# KiCad board DCTransistor.kicad_pcb
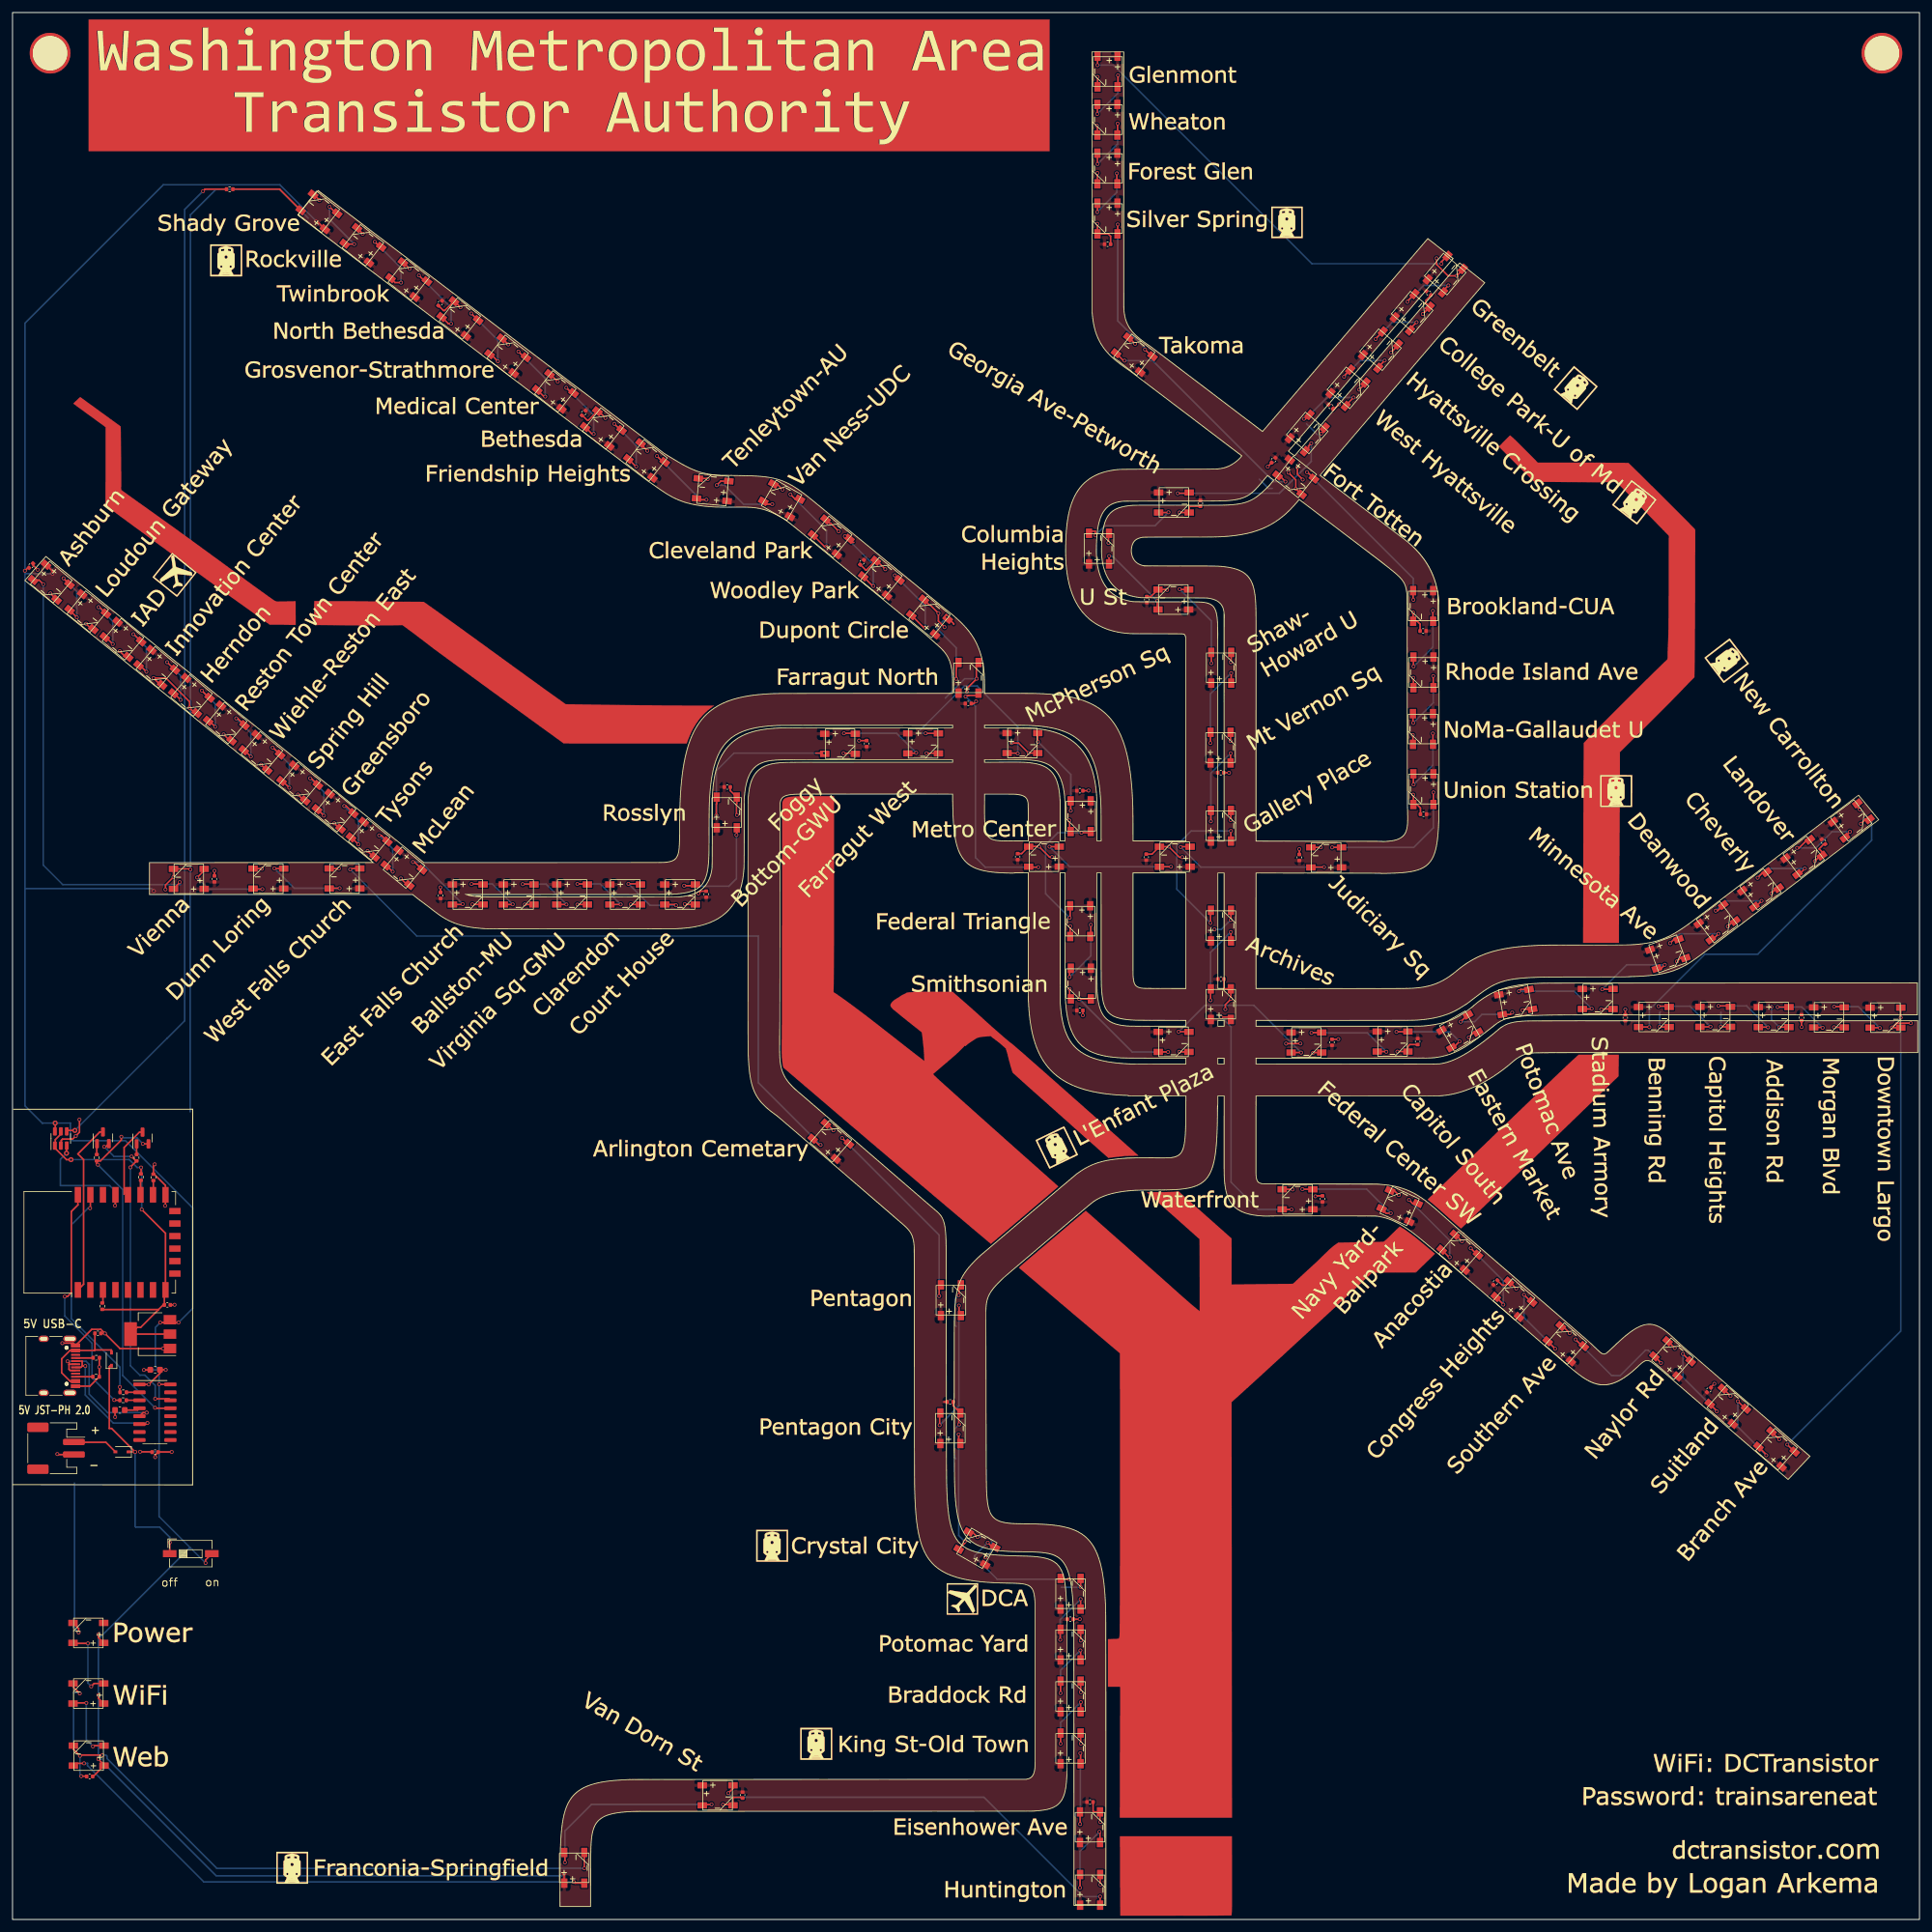
[diagram p0: board, top side]
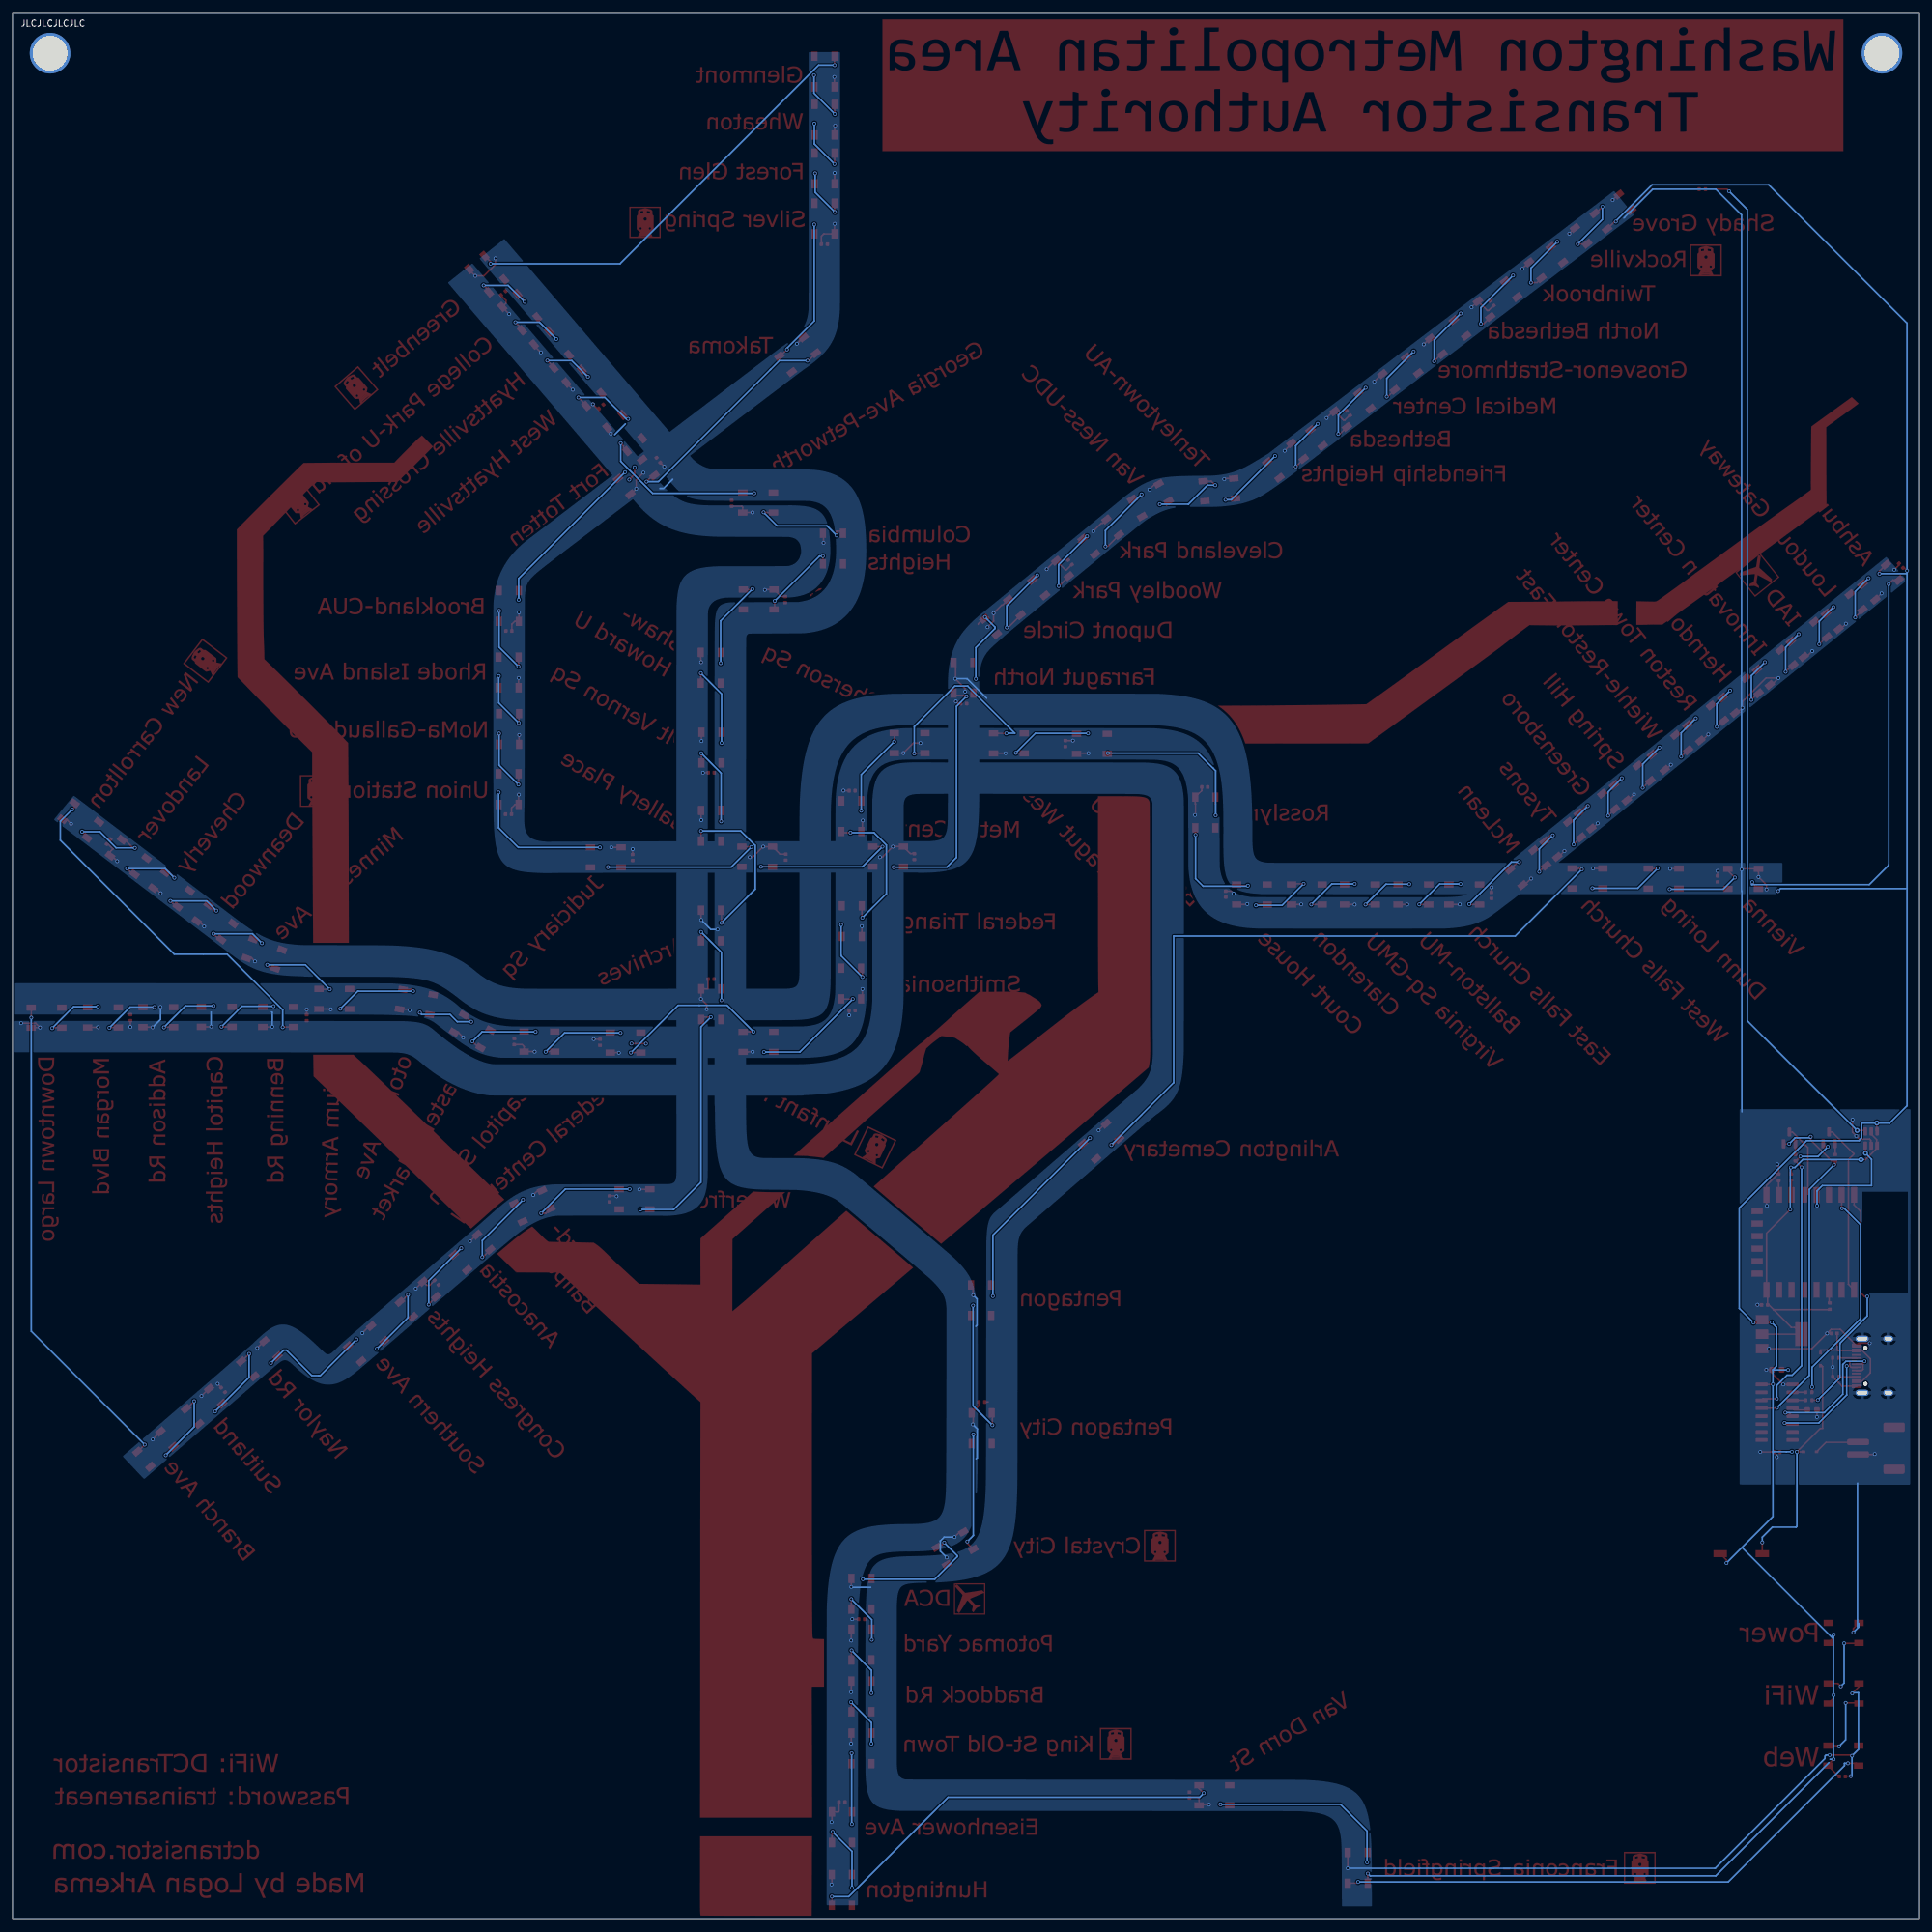
[diagram p1: board, bottom side, seen from below]

Outline 304.8 x 304.8 mm; copper layers: Top, Bottom. Coordinates in mm from the lower left corner of the outline.
Outline path: rectangle 0,304.8 304.8,0
Stack: Top 0.035mm / dielectric 1.51mm FR4 er 4.5 / Bottom 0.035mm

## Placement (name value [footprint] x y rotation side)
C0  100nf  [C_0603_1608Metric]  22.8 87.86 0 top
C1  10uF  [C_0402_1005Metric]  13.65 93.69 0 top
C2  100nf  [C_0603_1608Metric]  17.16 81.43 180 top
C3  10uF  [C_0402_1005Metric]  24.75 98.23 0 top
C4  10uF  [C_0402_1005Metric]  22.79 74.7 180 top
C5  10uF  [C_0402_1005Metric]  68.42 163.68 90 top
C6  10uF  [C_0402_1005Metric]  189.86 226.36 270 top
C7  10uF  [C_0402_1005Metric]  91.3 240.78 232 top
C8  10uF  [C_0402_1005Metric]  224.59 140.32 270 top
C9  10uF  [C_0402_1005Metric]  181.3 210.97 90 top
C10  10uF  [C_0402_1005Metric]  225.46 205.95 180 top
C11  10uF  [C_0402_1005Metric]  271.14 84.64 49 top
C12  10uF  [C_0402_1005Metric]  114.24 181.01 0 top
C13  10uF  [C_0402_1005Metric]  201.56 233.25 232 top
C14  10uF  [C_0402_1005Metric]  68.36 258.34 232 top
C15  10uF  [C_0402_1005Metric]  136.52 187.95 90 top
C16  10uF  [C_0402_1005Metric]  170.6 180.42 0 top
C17  10uF  [C_0402_1005Metric]  135.78 216.93 231 top
C18  10uF  [C_0402_1005Metric]  181.21 169.8 90 top
C19  10uF  [C_0402_1005Metric]  205.68 169.75 90 top
C20  10uF  [C_0402_1005Metric]  170.6 145.3 0 top
C21  10uF  [C_0402_1005Metric]  149.87 82.72 0 top
C22  10uF  [C_0402_1005Metric]  210.9 140.21 90 top
C23  10uF  [C_0402_1005Metric]  210.72 241.82 319.8 top
C24  10uF  [C_0402_1005Metric]  289.45 172.27 307 top
C25  10uF  [C_0402_1005Metric]  110.88 163.88 90 top
C26  10uF  [C_0402_1005Metric]  226.35 259.95 319.8 top
C27  10uF  [C_0402_1005Metric]  152.77 194.35 0 top
C28  10uF  [C_0402_1005Metric]  2.96 216.39 47 top
C29  10uF  [C_0402_1005Metric]  193.12 183.3 0 top
C30  10uF  [C_0402_1005Metric]  225.52 176.66 180 top
C31  10uF  [C_0402_1005Metric]  160.66 169.88 90 top
C32  10uF  [C_0402_1005Metric]  32.27 166.32 90 top
C33  10uF  [C_0402_1005Metric]  175.03 267.77 0 top
C34  10uF  [C_0402_1005Metric]  172.23 18.77 0 top
C35  10uF  [C_0402_1005Metric]  116.69 19.88 270 top
C36  10uF  [C_0402_1005Metric]  237.02 101.81 49 top
C37  10uF  [C_0402_1005Metric]  12.33 22.86 180 top
C38  10uF  [C_0402_1005Metric]  209.38 115.18 90 top
C39  10uF  [C_0402_1005Metric]  169.08 47.99 0 top
C40  10uF  [C_0402_1005Metric]  257.78 144.14 90 top
C41  10uF  [C_0402_1005Metric]  193.14 150.31 0 top
C42  10uF  [C_0402_1005Metric]  285.95 144.15 270 top
D0  SOD-323  [D_SOD-323]  15.82 89.56 90 top
D1  SOD-323  [D_SOD-323]  17.5 74.74 180 top
D2  WS2812B  [LED_WS2812B_PLCC4_5.0x5.0mm_P3.2mm-nosilk]  48.99 272.94 142 top
D3  WS2812B  [LED_WS2812B_PLCC4_5.0x5.0mm_P3.2mm-nosilk]  56.02 267.6 142 top
D4  WS2812B  [LED_WS2812B_PLCC4_5.0x5.0mm_P3.2mm-nosilk]  63.34 262.1 142 top
D5  WS2812B  [LED_WS2812B_PLCC4_5.0x5.0mm_P3.2mm-nosilk]  71.51 255.89 142 top
D6  WS2812B  [LED_WS2812B_PLCC4_5.0x5.0mm_P3.2mm-nosilk]  79.16 249.94 142 top
D7  WS2812B  [LED_WS2812B_PLCC4_5.0x5.0mm_P3.2mm-nosilk]  86.78 244.24 142 top
D8  WS2812B  [LED_WS2812B_PLCC4_5.0x5.0mm_P3.2mm-nosilk]  94.44 238.3 142 top
D9  WS2812B  [LED_WS2812B_PLCC4_5.0x5.0mm_P3.2mm-nosilk]  101.34 233.2 142 top
D10  WS2812B  [LED_WS2812B_PLCC4_5.0x5.0mm_P3.2mm-nosilk]  111.91 228.52 175 top
D11  WS2812B  [LED_WS2812B_PLCC4_5.0x5.0mm_P3.2mm-nosilk]  122.93 226.84 150 top
D12  WS2812B  [LED_WS2812B_PLCC4_5.0x5.0mm_P3.2mm-nosilk]  130.85 220.99 141 top
D13  WS2812B  [LED_WS2812B_PLCC4_5.0x5.0mm_P3.2mm-nosilk]  138.87 214.4 141 top
D14  WS2812B  [LED_WS2812B_PLCC4_5.0x5.0mm_P3.2mm-nosilk]  146.56 208.19 141 top
D15  WS2812B  [LED_WS2812B_PLCC4_5.0x5.0mm_P3.2mm-nosilk]  152.8 198.46 90 top
D16  WS2812B  [LED_WS2812B_PLCC4_5.0x5.0mm_P3.2mm-nosilk]  164.86 169.88 180 top
D17  WS2812B  [LED_WS2812B_PLCC4_5.0x5.0mm_P3.2mm-nosilk]  185.77 169.87 180 top
D18  WS2812B  [LED_WS2812B_PLCC4_5.0x5.0mm_P3.2mm-nosilk]  209.97 169.76 180 top
D19  WS2812B  [LED_WS2812B_PLCC4_5.0x5.0mm_P3.2mm-nosilk]  225.5 180.67 270 top
D20  WS2812B  [LED_WS2812B_PLCC4_5.0x5.0mm_P3.2mm-nosilk]  225.44 190.28 270 top
D21  WS2812B  [LED_WS2812B_PLCC4_5.0x5.0mm_P3.2mm-nosilk]  225.51 199.33 270 top
D22  WS2812B  [LED_WS2812B_PLCC4_5.0x5.0mm_P3.2mm-nosilk]  225.46 209.95 270 top
D23  WS2812B  [LED_WS2812B_PLCC4_5.0x5.0mm_P3.2mm-nosilk]  205.1 230.56 322 top
D24  WS2812B  [LED_WS2812B_PLCC4_5.0x5.0mm_P3.2mm-nosilk]  179.3 250.1 142 top
D25  WS2812B  [LED_WS2812B_PLCC4_5.0x5.0mm_P3.2mm-nosilk]  175.01 271.87 270 top
D26  WS2812B  [LED_WS2812B_PLCC4_5.0x5.0mm_P3.2mm-nosilk]  175 279.87 270 top
D27  WS2812B  [LED_WS2812B_PLCC4_5.0x5.0mm_P3.2mm-nosilk]  175 287.67 270 top
D28  WS2812B  [LED_WS2812B_PLCC4_5.0x5.0mm_P3.2mm-nosilk]  175.02 295.37 270 top
D29  WS2812B  [LED_WS2812B_PLCC4_5.0x5.0mm_P3.2mm-nosilk]  229 262.98 49.8 top
D30  WS2812B  [LED_WS2812B_PLCC4_5.0x5.0mm_P3.2mm-nosilk]  223.72 256.91 49.8 top
D31  WS2812B  [LED_WS2812B_PLCC4_5.0x5.0mm_P3.2mm-nosilk]  218.65 250.9 49.8 top
D32  WS2812B  [LED_WS2812B_PLCC4_5.0x5.0mm_P3.2mm-nosilk]  213.46 244.81 49.8 top
D33  WS2812B  [LED_WS2812B_PLCC4_5.0x5.0mm_P3.2mm-nosilk]  206.94 237.6 49.8 top
D34  WS2812B  [LED_WS2812B_PLCC4_5.0x5.0mm_P3.2mm-nosilk]  185.63 226.48 0 top
D35  WS2812B  [LED_WS2812B_PLCC4_5.0x5.0mm_P3.2mm-nosilk]  173.66 219.12 90 top
D36  WS2812B  [LED_WS2812B_PLCC4_5.0x5.0mm_P3.2mm-nosilk]  185.53 210.98 180 top
D37  WS2812B  [LED_WS2812B_PLCC4_5.0x5.0mm_P3.2mm-nosilk]  193.19 200.07 90 top
D38  WS2812B  [LED_WS2812B_PLCC4_5.0x5.0mm_P3.2mm-nosilk]  193.09 187.31 90 top
D39  WS2812B  [LED_WS2812B_PLCC4_5.0x5.0mm_P3.2mm-nosilk]  193.14 174.82 90 top
D40  WS2812B  [LED_WS2812B_PLCC4_5.0x5.0mm_P3.2mm-nosilk]  193.15 158.86 90 top
D41  WS2812B  [LED_WS2812B_PLCC4_5.0x5.0mm_P3.2mm-nosilk]  193.13 146.3 90 top
D42  WS2812B  [LED_WS2812B_PLCC4_5.0x5.0mm_P3.2mm-nosilk]  205.39 115.11 180 top
D43  WS2812B  [LED_WS2812B_PLCC4_5.0x5.0mm_P3.2mm-nosilk]  221.71 114.03 155 top
D44  WS2812B  [LED_WS2812B_PLCC4_5.0x5.0mm_P3.2mm-nosilk]  231.33 106.65 139 top
D45  WS2812B  [LED_WS2812B_PLCC4_5.0x5.0mm_P3.2mm-nosilk]  239.98 99.12 139 top
D46  WS2812B  [LED_WS2812B_PLCC4_5.0x5.0mm_P3.2mm-nosilk]  248.27 92.04 139 top
D47  WS2812B  [LED_WS2812B_PLCC4_5.0x5.0mm_P3.2mm-nosilk]  265.33 89.62 139 top
D48  WS2812B  [LED_WS2812B_PLCC4_5.0x5.0mm_P3.2mm-nosilk]  274.17 82.03 139 top
D49  WS2812B  [LED_WS2812B_PLCC4_5.0x5.0mm_P3.2mm-nosilk]  281.95 75.18 139 top
D50  WS2812B  [LED_WS2812B_PLCC4_5.0x5.0mm_P3.2mm-nosilk]  299.36 144.14 0 top
D51  WS2812B  [LED_WS2812B_PLCC4_5.0x5.0mm_P3.2mm-nosilk]  290.34 144.19 0 top
D52  WS2812B  [LED_WS2812B_PLCC4_5.0x5.0mm_P3.2mm-nosilk]  281.49 144.23 0 top
D53  WS2812B  [LED_WS2812B_PLCC4_5.0x5.0mm_P3.2mm-nosilk]  272.15 144.27 0 top
D54  WS2812B  [LED_WS2812B_PLCC4_5.0x5.0mm_P3.2mm-nosilk]  262.34 144.25 0 top
D55  WS2812B  [LED_WS2812B_PLCC4_5.0x5.0mm_P3.2mm-nosilk]  293.88 175.65 37 top
D56  WS2812B  [LED_WS2812B_PLCC4_5.0x5.0mm_P3.2mm-nosilk]  286.29 169.84 37 top
D57  WS2812B  [LED_WS2812B_PLCC4_5.0x5.0mm_P3.2mm-nosilk]  279.39 164.64 37 top
D58  WS2812B  [LED_WS2812B_PLCC4_5.0x5.0mm_P3.2mm-nosilk]  272.44 159.39 37 top
D59  WS2812B  [LED_WS2812B_PLCC4_5.0x5.0mm_P3.2mm-nosilk]  264.56 154.34 20 top
D60  WS2812B  [LED_WS2812B_PLCC4_5.0x5.0mm_P3.2mm-nosilk]  253.37 147.13 0 top
D61  WS2812B  [LED_WS2812B_PLCC4_5.0x5.0mm_P3.2mm-nosilk]  240.25 146.65 10 top
D62  WS2812B  [LED_WS2812B_PLCC4_5.0x5.0mm_P3.2mm-nosilk]  231.32 141.98 30 top
D63  WS2812B  [LED_WS2812B_PLCC4_5.0x5.0mm_P3.2mm-nosilk]  220.58 140.33 0 top
D64  WS2812B  [LED_WS2812B_PLCC4_5.0x5.0mm_P3.2mm-nosilk]  206.81 140.17 0 top
D65  WS2812B  [LED_WS2812B_PLCC4_5.0x5.0mm_P3.2mm-nosilk]  185.58 140.27 0 top
D66  WS2812B  [LED_WS2812B_PLCC4_5.0x5.0mm_P3.2mm-nosilk]  170.76 149.59 270 top
D67  WS2812B  [LED_WS2812B_PLCC4_5.0x5.0mm_P3.2mm-nosilk]  170.65 159.57 270 top
D68  WS2812B  [LED_WS2812B_PLCC4_5.0x5.0mm_P3.2mm-nosilk]  170.73 176.34 270 top
D69  WS2812B  [LED_WS2812B_PLCC4_5.0x5.0mm_P3.2mm-nosilk]  161.42 188.03 0 top
D70  WS2812B  [LED_WS2812B_PLCC4_5.0x5.0mm_P3.2mm-nosilk]  145.54 187.98 0 top
D71  WS2812B  [LED_WS2812B_PLCC4_5.0x5.0mm_P3.2mm-nosilk]  132.27 187.91 0 top
D72  WS2812B  [LED_WS2812B_PLCC4_5.0x5.0mm_P3.2mm-nosilk]  114.16 176.94 90 top
D73  WS2812B  [LED_WS2812B_PLCC4_5.0x5.0mm_P3.2mm-nosilk]  106.7 163.83 0 top
D74  WS2812B  [LED_WS2812B_PLCC4_5.0x5.0mm_P3.2mm-nosilk]  97.92 163.83 0 top
D75  WS2812B  [LED_WS2812B_PLCC4_5.0x5.0mm_P3.2mm-nosilk]  89.44 163.83 0 top
D76  WS2812B  [LED_WS2812B_PLCC4_5.0x5.0mm_P3.2mm-nosilk]  80.9 163.83 0 top
D77  WS2812B  [LED_WS2812B_PLCC4_5.0x5.0mm_P3.2mm-nosilk]  72.77 163.83 0 top
D78  WS2812B  [LED_WS2812B_PLCC4_5.0x5.0mm_P3.2mm-nosilk]  62.56 168.13 320.5 top
D79  WS2812B  [LED_WS2812B_PLCC4_5.0x5.0mm_P3.2mm-nosilk]  57.01 172.64 320.5 top
D80  WS2812B  [LED_WS2812B_PLCC4_5.0x5.0mm_P3.2mm-nosilk]  51.57 177.15 320.5 top
D81  WS2812B  [LED_WS2812B_PLCC4_5.0x5.0mm_P3.2mm-nosilk]  45.91 181.66 320.5 top
D82  WS2812B  [LED_WS2812B_PLCC4_5.0x5.0mm_P3.2mm-nosilk]  39.87 186.54 320 top
D83  WS2812B  [LED_WS2812B_PLCC4_5.0x5.0mm_P3.2mm-nosilk]  34.17 191.24 320 top
D84  WS2812B  [LED_WS2812B_PLCC4_5.0x5.0mm_P3.2mm-nosilk]  28.61 195.64 320 top
D85  WS2812B  [LED_WS2812B_PLCC4_5.0x5.0mm_P3.2mm-nosilk]  23.06 200.13 320 top
D86  WS2812B  [LED_WS2812B_PLCC4_5.0x5.0mm_P3.2mm-nosilk]  17.65 204.62 320 top
D87  WS2812B  [LED_WS2812B_PLCC4_5.0x5.0mm_P3.2mm-nosilk]  12.03 209.04 321 top
D88  WS2812B  [LED_WS2812B_PLCC4_5.0x5.0mm_P3.2mm-nosilk]  6.2 213.75 320 top
D89  WS2812B  [LED_WS2812B_PLCC4_5.0x5.0mm_P3.2mm-nosilk]  28.18 166.33 180 top
D90  WS2812B  [LED_WS2812B_PLCC4_5.0x5.0mm_P3.2mm-nosilk]  40.89 166.37 180 top
D91  WS2812B  [LED_WS2812B_PLCC4_5.0x5.0mm_P3.2mm-nosilk]  53.06 166.39 180 top
D92  WS2812B  [LED_WS2812B_PLCC4_5.0x5.0mm_P3.2mm-nosilk]  130.8 124.39 139 top
D93  WS2812B  [LED_WS2812B_PLCC4_5.0x5.0mm_P3.2mm-nosilk]  149.99 98.98 90 top
D94  WS2812B  [LED_WS2812B_PLCC4_5.0x5.0mm_P3.2mm-nosilk]  149.9 78.52 90 top
D95  WS2812B  [LED_WS2812B_PLCC4_5.0x5.0mm_P3.2mm-nosilk]  154.14 59.33 150 top
D96  WS2812B  [LED_WS2812B_PLCC4_5.0x5.0mm_P3.2mm-nosilk]  169.12 52.07 90 top
D97  WS2812B  [LED_WS2812B_PLCC4_5.0x5.0mm_P3.2mm-nosilk]  169.12 43.93 90 top
D98  WS2812B  [LED_WS2812B_PLCC4_5.0x5.0mm_P3.2mm-nosilk]  169.12 35.65 90 top
D99  WS2812B  [LED_WS2812B_PLCC4_5.0x5.0mm_P3.2mm-nosilk]  169.12 27.35 90 top
D100  WS2812B  [LED_WS2812B_PLCC4_5.0x5.0mm_P3.2mm-nosilk]  172.22 14.75 90 top
D101  WS2812B  [LED_WS2812B_PLCC4_5.0x5.0mm_P3.2mm-nosilk]  172.24 4.74 90 top
D102  WS2812B  [LED_WS2812B_PLCC4_5.0x5.0mm_P3.2mm-nosilk]  112.7 19.85 0 top
D103  WS2812B  [LED_WS2812B_PLCC4_5.0x5.0mm_P3.2mm-nosilk]  89.79 8.26 90 top
D104  WS2812B  [LED_WS2812B_PLCC4_5.0x5.0mm_P3.2mm-nosilk]  12.17 26.19 180 top
D105  WS2812B  [LED_WS2812B_PLCC4_5.0x5.0mm_P3.2mm-nosilk]  12.12 36.12 180 top
D106  WS2812B  [LED_WS2812B_PLCC4_5.0x5.0mm_P3.2mm-nosilk]  12.12 45.8 180 top
J0  USB_C_Receptacle  [USB_C_Receptacle_HRO_TYPE-C-31-M-12]  6.04 88.5 270 top
J1  Conn_02x01  [JST_PH_S2B-PH-SM4-TB_1x02-1MP_P2.00mm_Horizontal]  6.96 75.32 270 top
M2_0  -  [MountingHole_5.5mm_Pad]  298.8 298.3 0 top
M2_0#2  -  [MountingHole_5.5mm_Pad]  6 298.3 0 top
Q0  MMBT3904  [SOT-23]  14.45 124.94 90 top
Q1  MMBT3904  [SOT-23]  20.78 124.91 90 top
R0  5.1kR  [R_0402_1005Metric]  13.39 89.78 180 top
R1  470  [R_0402_1005Metric]  17.7 84.26 180 top
R2  470  [R_0402_1005Metric]  17.68 82.99 180 top
R3  5.1kR  [R_0402_1005Metric]  13.36 86.75 180 top
R4  12k  [R_0402_1005Metric]  13.47 121.76 90 top
R5  12k  [R_0402_1005Metric]  19.83 121.76 90 top
R6  10k  [R_0402_1005Metric]  14.35 98.03 90 top
R7  10k  [R_0402_1005Metric]  20.52 118.66 90 top
R8  300R  [R_0402_1005Metric]  34.71 276.56 180 top
R9  10k  [R_0402_1005Metric]  22.52 118.62 90 top
Ref**  Val**  [DCTransistor-prod.svg.2023_03_10_22_51_14.0]  152.34 152.76 0 top
SW0  SW_SPST  [SW_DIP_SPSTx01_Slide_6.7x4.1mm_W6.73mm_P2.54mm_LowProfile_JPin]  28.49 58.47 0 top
U0  CH340C  [SOIC-16_3.9x9.9mm_P1.27mm]  22.76 81.08 0 top
U1  AMS1117-3.3  [SOT-223-3_TabPin2]  22.01 93.56 180 top
U2  ESP-12F  [ESP-12E]  13.95 108.23 90 top
U3  SN74LVC1T45DBV  [SOT-23-6]  7.72 124.83 90 top

## Footprints (pads in the part's own frame, mm; a bottom-side part is the same pattern mirrored in y, then rotated)
C_0402_1005Metric
  rrect 0.56x0.62 smd: 1(-0.48,0) 2(0.48,0)
C_0603_1608Metric
  rrect 0.9x0.95 smd: 1(-0.775,0) 2(0.775,0)
D_SOD-323
  rect 0.6x0.45 smd: 1(-1.05,0) 2(1.05,0)
ESP-12E
  rect 2.5x1 smd: 1(-7.6,3.5) 2(-7.6,1.5) 3(-7.6,-0.5) 4(-7.6,-2.5) 5(-7.6,-4.5) 6(-7.6,-6.5) 7(-7.6,-8.5) 8(-7.6,-10.5) 15(7.6,-10.5) 16(7.6,-8.5) 17(7.6,-6.5) 18(7.6,-4.5) 19(7.6,-2.5) 20(7.6,-0.5) 21(7.6,1.5) 22(7.6,3.5)
  rect 1x1.8 smd: 9(-5,-12) 10(-3,-12) 11(-1,-12) 12(1,-12) 13(3,-12) 14(5,-12)
JST_PH_S2B-PH-SM4-TB_1x02-1MP_P2.00mm_Horizontal
  rrect 1x3.5 smd: 1(-1,2.85) 2(1,2.85)
  rrect 1.5x3.4 smd: MP(-3.35,-2.9) MP(3.35,-2.9)
LED_WS2812B_PLCC4_5.0x5.0mm_P3.2mm-nosilk
  rect 1.5x1 smd: 1(-2.45,1.6) 2(-2.45,-1.6) 3(2.45,-1.6) 4(2.45,1.6)
MountingHole_5.5mm_Pad
  round 6.5 hole 5.5: 1(0,0)
R_0402_1005Metric
  rrect 0.54x0.64 smd: 1(-0.51,0) 2(0.51,0)
SOIC-16_3.9x9.9mm_P1.27mm
  rrect 1.95x0.6 smd: 1(-2.475,4.445) 2(-2.475,3.175) 3(-2.475,1.905) 4(-2.475,0.635) 5(-2.475,-0.635) 6(-2.475,-1.905) 7(-2.475,-3.175) 8(-2.475,-4.445) 9(2.475,-4.445) 10(2.475,-3.175) 11(2.475,-1.905) 12(2.475,-0.635) 13(2.475,0.635) 14(2.475,1.905) 15(2.475,3.175) 16(2.475,4.445)
SOT-23
  rrect 1.475x0.6 smd: 1(-0.938,0.95) 2(-0.938,-0.95) 3(0.938,0)
SOT-23-6
  rrect 1.325x0.6 smd: 1(-1.137,0.95) 2(-1.137,0) 3(-1.137,-0.95) 4(1.137,-0.95) 5(1.137,0) 6(1.137,0.95)
SOT-223-3_TabPin2
  rect 2x1.5 smd: 1(-3.15,2.3) 2(-3.15,0) 3(-3.15,-2.3)
  rect 2x3.8 smd: 2(3.15,0)
SW_DIP_SPSTx01_Slide_6.7x4.1mm_W6.73mm_P2.54mm_LowProfile_JPin
  rect 2.16x1.12 smd: 1(-3.365,0) 2(3.365,0)
USB_C_Receptacle_HRO_TYPE-C-31-M-12
  round 0.65 hole 0.65 unplated: (-2.89,2.6) (2.89,2.6)
  rect 0.6x1.45 smd: A1(-3.25,4.045) A4(-2.45,4.045) A9(2.45,4.045) A12(3.25,4.045) B1(3.25,4.045) B4(2.45,4.045) B9(-2.45,4.045) B12(-3.25,4.045)
  rect 0.3x1.45 smd: A5(-1.25,4.045) A6(-0.25,4.045) A7(0.25,4.045) A8(1.25,4.045) B5(1.75,4.045) B6(0.75,4.045) B7(-0.75,4.045) B8(-1.75,4.045)
  oval 1x2.1 hole 0.6x1.7: S1(-4.32,3.13) S1(4.32,3.13)
  oval 1x1.6 hole 0.6x1.2: S1(-4.32,-1.05) S1(4.32,-1.05)

## Nets
+3V3: C3.1 R6.1 R7.2 U1.2 U2.8 U3.1 U3.5
+5V: C0.1 C4.2 C5.1 C6.1 C7.1 C8.1 C9.1 C10.1 C11.1 C12.1 C13.1 C14.1 C15.1 C16.1 C17.1 C18.1 C19.1 C20.1 C21.1 C22.1 C23.1 C24.1 C25.1 C26.1 C27.1 C28.1 C29.1 C30.1 C31.1 C32.1 C33.1 C34.1 C35.1 C36.1 C37.1 C38.1 C39.1 C40.1 C41.1 C42.1 D2.1 D3.1 D4.1 D5.1 D6.1 D7.1 D8.1 D9.1 D10.1 D11.1 D12.1 D13.1 D14.1 D15.1 D16.1 D17.1 D18.1 D19.1 D20.1 D21.1 D22.1 D23.1 D24.1 D25.1 D26.1 D27.1 D28.1 D29.1 D30.1 D31.1 D32.1 D33.1 D34.1 D35.1 D36.1 D37.1 D38.1 D39.1 D40.1 D41.1 D42.1 D43.1 D44.1 D45.1 D46.1 D47.1 D48.1 D49.1 D50.1 D51.1 D52.1 D53.1 D54.1 D55.1 D56.1 D57.1 D58.1 D59.1 D60.1 D61.1 D62.1 D63.1 D64.1 D65.1 D66.1 D67.1 D68.1 D69.1 D70.1 D71.1 D72.1 D73.1 D74.1 D75.1 D76.1 D77.1 D78.1 D79.1 D80.1 D81.1 D82.1 D83.1 D84.1 D85.1 D86.1 D87.1 D88.1 D89.1 D90.1 D91.1 D92.1 D93.1 D94.1 D95.1 D96.1 D97.1 D98.1 D99.1 D100.1 D101.1 D102.1 D103.1 D104.1 D105.1 D106.1 SW0.2 U0.16 U1.3 U3.6
GND: C0.2 C1.2 C2.2 C3.2 C4.1 C5.2 C6.2 C7.2 C8.2 C9.2 C10.2 C11.2 C12.2 C13.2 C14.2 C15.2 C16.2 C17.2 C18.2 C19.2 C20.2 C21.2 C22.2 C23.2 C24.2 C25.2 C26.2 C27.2 C28.2 C29.2 C30.2 C31.2 C32.2 C33.2 C34.2 C35.2 C36.2 C37.2 C38.2 C39.2 C40.2 C41.2 C42.2 D2.3 D3.3 D4.3 D5.3 D6.3 D7.3 D8.3 D9.3 D10.3 D11.3 D12.3 D13.3 D14.3 D15.3 D16.3 D17.3 D18.3 D19.3 D20.3 D21.3 D22.3 D23.3 D24.3 D25.3 D26.3 D27.3 D28.3 D29.3 D30.3 D31.3 D32.3 D33.3 D34.3 D35.3 D36.3 D37.3 D38.3 D39.3 D40.3 D41.3 D42.3 D43.3 D44.3 D45.3 D46.3 D47.3 D48.3 D49.3 D50.3 D51.3 D52.3 D53.3 D54.3 D55.3 D56.3 D57.3 D58.3 D59.3 D60.3 D61.3 D62.3 D63.3 D64.3 D65.3 D66.3 D67.3 D68.3 D69.3 D70.3 D71.3 D72.3 D73.3 D74.3 D75.3 D76.3 D77.3 D78.3 D79.3 D80.3 D81.3 D82.3 D83.3 D84.3 D85.3 D86.3 D87.3 D88.3 D89.3 D90.3 D91.3 D92.3 D93.3 D94.3 D95.3 D96.3 D97.3 D98.3 D99.3 D100.3 D101.3 D102.3 D103.3 D104.3 D105.3 D106.3 J0.A1 J0.A12 J0.B1 J0.B12 J0.S1 J1.2 R0.1 R3.1 R9.2 U0.1 U1.1 U2.15 U3.2
VBUS: C1.1 D0.2 J0.A4 J0.A9 J0.B4 J0.B9
+BATT: D1.2 J1.1
/D47-48: D49.2 D50.4
/D95-96: D97.2 D98.4
/DIN: D2.4 R8.1
/esp-gpio0: Q1.3 U2.18
/esp-rst: Q0.3 U2.1
/GPIO_DATA: U2.19 U3.3
/rxd-to-tx: R2.2 U2.22
/txd-to-rx: R1.2 U2.21
Net-(C2-Pad1): C2.1 U0.4
Net-(D0-Pad1): D0.1 D1.1 SW0.1
Net-(D2-Pad2): D2.2 D3.4
Net-(D3-Pad2): D3.2 D4.4
Net-(D4-Pad2): D4.2 D5.4
Net-(D5-Pad2): D5.2 D6.4
Net-(D6-Pad2): D6.2 D7.4
Net-(D7-Pad2): D7.2 D8.4
Net-(D8-Pad2): D8.2 D9.4
Net-(D10-Pad2): D10.2 D11.4
Net-(D10-Pad4): D9.2 D10.4
Net-(D11-Pad2): D11.2 D12.4
Net-(D12-Pad2): D12.2 D13.4
Net-(D13-Pad2): D13.2 D14.4
Net-(D14-Pad2): D14.2 D15.4
Net-(D15-Pad2): D15.2 D16.4
Net-(D16-Pad2): D16.2 D17.4
Net-(D17-Pad2): D17.2 D18.4
Net-(D18-Pad2): D18.2 D19.4
Net-(D19-Pad2): D19.2 D20.4
Net-(D20-Pad2): D20.2 D21.4
Net-(D21-Pad2): D21.2 D22.4
Net-(D22-Pad2): D22.2 D23.4
Net-(D23-Pad2): D23.2 D24.4
Net-(D24-Pad2): D24.2 D25.4
Net-(D25-Pad2): D25.2 D26.4
Net-(D26-Pad2): D26.2 D27.4
Net-(D27-Pad2): D27.2 D28.4
Net-(D28-Pad2): D28.2 D29.4
Net-(D29-Pad2): D29.2 D30.4
Net-(D30-Pad2): D30.2 D31.4
Net-(D31-Pad2): D31.2 D32.4
Net-(D32-Pad2): D32.2 D33.4
Net-(D33-Pad2): D33.2 D34.4
Net-(D34-Pad2): D34.2 D35.4
Net-(D35-Pad2): D35.2 D36.4
Net-(D36-Pad2): D36.2 D37.4
Net-(D37-Pad2): D37.2 D38.4
Net-(D38-Pad2): D38.2 D39.4
Net-(D39-Pad2): D39.2 D40.4
Net-(D40-Pad2): D40.2 D41.4
Net-(D41-Pad2): D41.2 D42.4
Net-(D42-Pad2): D42.2 D43.4
Net-(D43-Pad2): D43.2 D44.4
Net-(D44-Pad2): D44.2 D45.4
Net-(D45-Pad2): D45.2 D46.4
Net-(D46-Pad2): D46.2 D47.4
Net-(D47-Pad2): D47.2 D48.4
Net-(D48-Pad2): D48.2 D49.4
Net-(D50-Pad2): D50.2 D51.4
Net-(D51-Pad2): D51.2 D52.4
Net-(D52-Pad2): D52.2 D53.4
Net-(D53-Pad2): D53.2 D54.4
Net-(D54-Pad2): D54.2 D55.4
Net-(D55-Pad2): D55.2 D56.4
Net-(D56-Pad2): D56.2 D57.4
Net-(D57-Pad2): D57.2 D58.4